# Allegro board com_v1_p3.brd (continued)
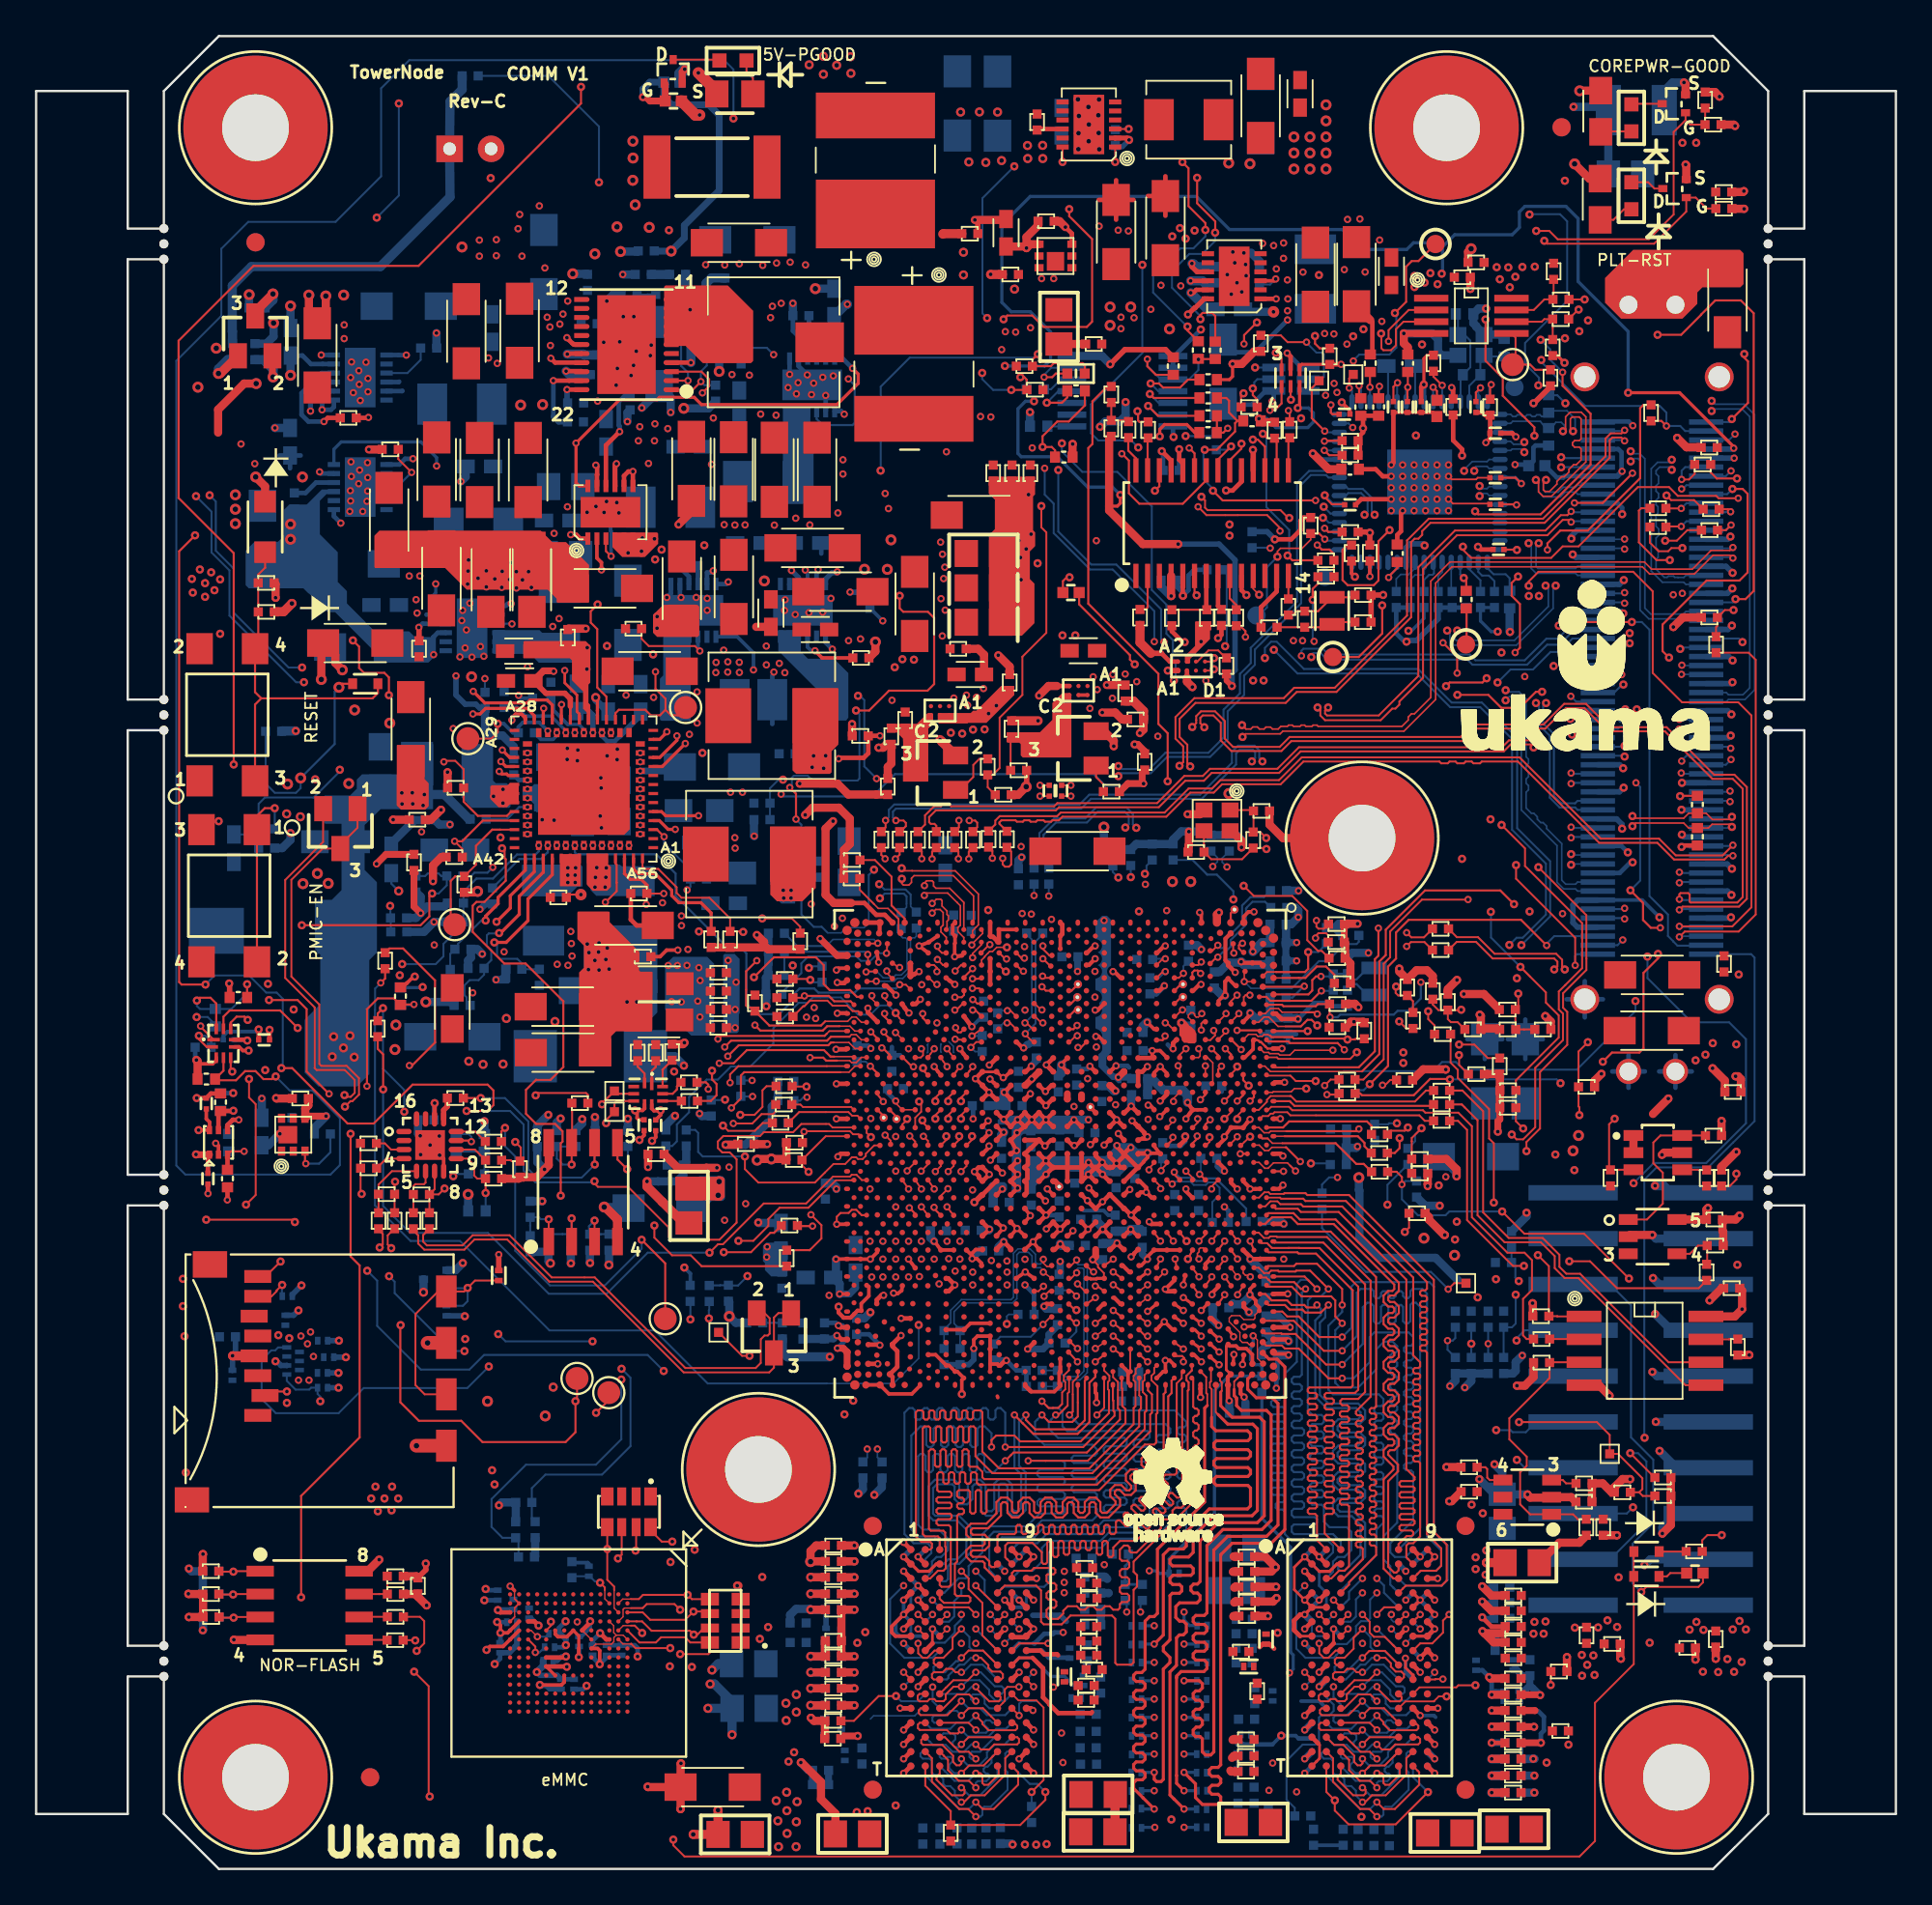
[diagram p0: board, top side]
## Routing (per net, layer and track width the routed paths; a pad name or vN(x,y) marks a point on that pad's centre or on a via; arc(x,y) is an arc through that point) (continued)
M_A_DQ47: length 31.9
  TOP w0.102: v2(58.6,33.1) 58.55,33.1 U3C1.AB40
  TOP w0.109: U37.H7 52.44,12.94 52.44,14.75 51.67,15.51 51.67,16.1 v2(51.27,16.5)
  L3_SIG1 w0.102: v2(51.27,16.5) 51.27,16.51 51.09,16.7 51.09,17.14 51.21,17.27 51.65,17.27 52.08,17.7 52.08,17.84 51.97,17.96 51.97,18.1 52.11,18.25 52.25,18.25 52.37,18.13 52.51,18.13 52.81,18.43 52.81,18.59 52.66,18.74 52.66,18.91 52.78,19.03 52.95,19.03 53.1,18.88 53.26,18.88 53.38,19 53.38,19.17 53.23,19.32 53.23,19.49 53.35,19.61 53.52,19.61 53.67,19.46 53.84,19.46 53.96,19.58 53.96,19.74 53.81,19.89 53.81,20.06 53.93,20.18 54.1,20.18 54.25,20.03 54.41,20.03 54.53,20.15 54.53,20.32 54.38,20.47 54.38,20.64 54.5,20.75 54.67,20.75 54.82,20.61 54.99,20.61 55.11,20.72 55.11,20.89 54.96,21.04 54.96,21.21 55.08,21.33 55.25,21.33 55.4,21.18 55.56,21.18 55.68,21.3 55.68,21.47 55.53,21.62 55.53,21.79 55.65,21.9 55.82,21.9 55.97,21.76 56.14,21.76 56.26,21.87 56.26,22.04 56.11,22.19 56.11,22.36 56.23,22.48 56.4,22.48 56.54,22.33 56.71,22.33 56.83,22.45 56.83,22.62 56.68,22.77 56.68,22.93 56.8,23.05 56.97,23.05 57.12,22.9 57.29,22.9 57.41,23.02 57.41,23.19 57.26,23.34 57.26,23.51 57.38,23.63 57.63,23.63 58.02,24.02 58.02,26.69 59.05,27.72 59.05,32.64 v2(58.6,33.1)
M_A_DQ48: length 31.1
  TOP w0.114: v2(59.69,30.96) U3C1.V45
  L8_SIG4 w0.102: v2(59.69,30.96) 59.35,30.61 57,30.61 56.12,29.74 54.44,29.74 52.81,28.11 52.81,27.7 52.95,27.57 52.95,27.37 52.89,27.31 52.63,27.31 52.47,27.47 52.33,27.47 51.93,27.07 51.93,25.81 51.81,25.69 51.54,25.69 51.42,25.57 51.42,25.4 51.54,25.28 51.81,25.28 51.93,25.16 51.93,25 51.81,24.88 51.54,24.88 51.42,24.76 51.42,24.59 51.54,24.47 51.81,24.47 51.93,24.35 51.93,24.18 51.81,24.06 51.54,24.06 51.42,23.95 51.42,23.78 51.54,23.66 51.81,23.66 51.93,23.54 51.93,23.37 51.81,23.25 51.54,23.25 51.42,23.13 51.42,22.96 51.54,22.85 51.81,22.85 51.93,22.73 51.93,22.56 51.81,22.44 51.54,22.44 51.42,22.32 51.42,22.15 51.54,22.03 51.81,22.03 51.93,21.91 51.93,21.75 51.81,21.63 51.54,21.63 51.42,21.51 51.42,21.34 51.54,21.22 51.81,21.22 51.93,21.1 51.93,20.93 51.81,20.81 51.54,20.81 51.42,20.69 51.42,20.53 51.54,20.41 51.81,20.41 51.93,20.29 51.93,20.12 51.81,20 51.54,20 51.42,19.88 51.42,19.71 51.54,19.59 51.81,19.59 51.93,19.48 51.93,19.31 51.81,19.19 51.54,19.19 51.42,19.07 51.42,18.9 51.54,18.78 51.81,18.78 51.93,18.66 51.93,18.49 51.81,18.38 51.54,18.38 51.42,18.26 51.42,17.16 51.78,16.8 v2(52.07,16.5)
  BOTTOM w0.114: U30.E3 52.94,14.84 52.56,15.21 52.56,16.01 v2(52.07,16.5)
M_A_DQ49: length 31.9
  TOP w0.114: v2(59.69,30.25) U3C1.V47
  L8_SIG4 w0.102: v2(51.27,15.7) 50.92,16.06 50.53,16.45 50.53,16.6 50.65,16.72 50.79,16.72 50.91,16.84 50.91,17.01 50.79,17.12 50.65,17.12 50.53,17.24 50.53,17.41 50.65,17.53 50.79,17.53 50.91,17.65 50.91,17.82 50.79,17.94 50.65,17.94 50.53,18.06 50.53,18.22 50.65,18.34 50.79,18.34 50.91,18.46 50.91,18.63 50.79,18.75 50.65,18.75 50.53,18.87 50.53,19.04 50.65,19.16 50.79,19.16 50.91,19.28 50.91,19.44 50.79,19.56 50.65,19.56 50.53,19.68 50.53,19.85 50.65,19.97 50.79,19.97 50.91,20.09 50.91,20.26 50.79,20.38 50.65,20.38 50.53,20.49 50.53,20.66 50.65,20.78 50.79,20.78 50.91,20.9 50.91,21.07 50.79,21.19 50.65,21.19 50.53,21.31 50.53,21.48 50.65,21.59 50.79,21.59 50.91,21.71 50.91,21.88 50.79,22 50.65,22 50.53,22.12 50.53,22.29 50.65,22.41 50.79,22.41 50.91,22.53 50.91,22.7 50.79,22.81 50.65,22.81 50.53,22.93 50.53,23.1 50.65,23.22 50.79,23.22 50.91,23.34 50.91,23.51 50.79,23.63 50.65,23.63 50.53,23.75 50.53,23.91 50.65,24.03 50.79,24.03 50.91,24.15 50.91,24.32 50.79,24.44 50.65,24.44 50.53,24.56 50.53,24.73 50.65,24.85 50.79,24.85 50.91,24.97 50.91,26.56 54.96,30.61 56.23,30.61 57,31.38 58.48,31.38 58.55,31.31 58.85,31.31 59.54,31.31 59.88,31.31 60.06,31.13 60.06,30.61 v2(59.69,30.25)
  BOTTOM w0.114: U30.F7 50.59,13.7 50.87,13.99 50.87,14.84 51.27,15.24 v2(51.27,15.7)
M_A_DQ50: length 31.7
  TOP w0.114: U3C1.AD48 57.68,28.85 v2(57.71,28.85)
  L8_SIG4 w0.102: v2(54.47,13.3) 54.47,12.96 54.58,12.86 55.68,12.86 55.8,12.98 55.8,13.31 55.92,13.43 56.25,13.43 56.37,13.31 56.37,12.85 56.63,12.59 57.14,12.59 57.39,12.85 57.39,13.99 57.77,14.37 57.77,19.83 61.06,23.12 61.06,23.39 60.95,23.49 60.56,23.49 60.44,23.61 60.44,23.78 60.56,23.9 60.95,23.9 61.07,24.01 61.07,24.18 60.95,24.3 60.56,24.3 60.44,24.42 60.44,24.59 60.56,24.71 60.95,24.71 61.07,24.83 61.07,25 60.95,25.11 60.56,25.11 60.44,25.23 60.44,25.4 60.56,25.52 60.95,25.52 61.07,25.64 61.07,26.18 60.95,26.3 60.56,26.3 60.44,26.42 60.44,26.58 60.56,26.7 60.95,26.7 61.07,26.82 61.07,27.58 60.69,27.96 60.69,29.61 60.41,29.89 59.84,29.89 58.55,29.89 57.71,29.05 v2(57.71,28.85)
  BOTTOM w0.114: U30.F2 54.08,13.7 v2(54.47,13.3)
M_A_DQ51: length 31.8
  TOP w0.114: v2(57.71,28.11) 57.22,28.65 U3C1.AD50
  L8_SIG4 w0.102: v2(57.71,28.11) 56.94,28.11 56.84,28.01 56.84,27.71 56.96,27.59 57.52,27.59 57.64,27.47 57.64,27.3 57.52,27.18 56.96,27.18 56.84,27.07 56.84,26.9 56.96,26.78 57.52,26.78 57.64,26.66 57.64,26.49 57.52,26.37 56.96,26.37 56.84,26.25 56.84,26.08 56.96,25.97 57.52,25.97 57.64,25.85 57.64,25.68 57.52,25.56 56.96,25.56 56.88,25.48 56.88,24.86 56.96,24.78 57.52,24.78 57.64,24.66 57.64,24.15 57.38,23.88 57.21,23.88 56.68,24.41 56.51,24.41 56.39,24.29 56.39,24.13 56.92,23.6 56.92,23.43 56.8,23.31 56.63,23.31 56.1,23.84 55.94,23.84 55.82,23.72 55.82,23.55 56.35,23.02 56.35,22.85 56.23,22.73 56.06,22.73 55.53,23.26 55.36,23.26 55.24,23.15 55.24,22.98 55.77,22.45 55.77,22.28 55.61,22.12 53.33,22.12 53.07,21.86 53.07,17.8 53.28,17.59 53.28,16.1 52.69,15.51 52.69,15.13 52.06,14.5 50.07,14.5 49.98,14.41 v2(49.67,14.1)
  BOTTOM w0.112: v2(49.67,14.1) 49.67,14.1 U30.F8
M_A_DQ52: length 31.3
  TOP w0.114: v2(59.69,29.54) U3C1.V48
  L8_SIG4 w0.102: v2(59.69,29.54) 60,29.54 60.31,29.23 60.31,27.45 60.06,27.2 60.06,22.75 59.89,22.59 59.73,22.59 59.26,23.06 59.09,23.06 58.97,22.94 58.97,22.77 59.44,22.3 59.44,22.13 59.32,22.02 59.15,22.02 58.68,22.48 58.52,22.48 58.4,22.36 58.4,22.19 58.86,21.73 58.86,21.56 58.75,21.44 58.58,21.44 58.11,21.91 57.94,21.91 57.82,21.79 57.82,21.62 58.29,21.15 58.29,20.99 58.17,20.87 58,20.87 57.63,21.23 57.49,21.23 57.39,21.13 57.39,14.5 56.61,13.72 54.28,13.72 54.09,13.53 54.09,13.1 53.87,12.88 53.49,12.88 53.2,12.59 52.52,12.59 52.23,12.88 52.2,12.88 52.07,13.01 v2(52.07,13.3)
  BOTTOM w0.114: v2(52.07,13.3) 53.02,12.36 U30.H3
M_A_DQ53: length 31.9
  TOP w0.114: v2(59.69,28.82) U3C1.V50
  L8_SIG4 w0.102: v2(51.27,14.1) 51.66,13.72 52.19,13.72 52.39,13.53 52.46,13.46 52.46,13.18 52.72,12.92 53.03,12.92 53.26,13.15 53.26,13.16 53.29,13.2 53.29,13.46 53.33,13.49 53.33,13.55 53.49,13.72 53.83,13.72 54.06,13.95 54.06,14 54.09,14.03 54.09,14.3 54.28,14.5 56.37,14.5 56.5,14.62 56.5,14.89 56.38,15.01 56.24,15.01 56.12,15.13 56.12,15.29 56.24,15.41 56.38,15.41 56.5,15.53 56.5,15.7 56.38,15.82 56.24,15.82 56.12,15.94 56.12,16.11 56.24,16.23 56.38,16.23 56.5,16.35 56.5,17.16 56.6,17.27 56.89,17.27 57,17.37 57,17.61 56.89,17.71 56.62,17.71 56.5,17.83 56.5,18 56.62,18.12 56.89,18.12 57.01,18.23 57.01,18.4 56.89,18.52 56.62,18.52 56.5,18.64 56.5,18.81 56.62,18.93 56.89,18.93 57.01,19.05 57.01,19.22 56.89,19.33 56.62,19.33 56.5,19.45 56.5,19.62 56.62,19.74 56.89,19.74 57.01,19.86 57.01,20.03 56.89,20.15 56.62,20.15 56.5,20.27 56.5,20.43 56.62,20.55 56.89,20.55 57.01,20.67 57.01,20.84 56.89,20.96 56.6,20.96 56.5,21.06 56.5,21.23 59.69,24.42 59.69,24.92 59.57,25.04 59.41,25.04 59.29,25.16 59.29,25.33 59.41,25.44 59.57,25.44 59.69,25.56 59.69,25.73 59.57,25.85 59.41,25.85 59.29,25.97 59.29,26.14 59.41,26.26 59.57,26.26 59.69,26.38 59.69,28.35 59.69,28.35 v2(59.69,28.82)
  BOTTOM w0.114: U30.H8 49.62,12.45 49.71,12.54 50.35,12.54 50.91,13.1 50.91,13.48 51.27,13.84 v2(51.27,14.1)
M_A_DQ54: length 31.8
  TOP w0.114: v2(58.7,31.67) U3C1.AB44
  L8_SIG4 w0.102: v2(58.7,31.67) 59.04,32.01 59.94,32.01 61.07,30.88 61.07,28.09 61.45,27.7 61.45,22.88 58.15,19.58 58.15,14.24 57.77,13.86 57.77,10.69 57.52,10.43 56.63,10.43 56.37,10.69 56.37,11.07 56.12,11.32 53.96,11.32 53.67,11.61 53.67,12.1 v2(53.67,12.5)
  BOTTOM w0.109: U30.G2 v2(53.67,12.5)
M_A_DQ55: length 31.9
  TOP w0.114: U3C1.Y45 v2(58.7,30.25)
  L8_SIG4 w0.102: v2(58.7,30.25) 58.28,30.25 57.94,29.9 57.05,29.9 56.5,29.36 54.59,29.36 54.34,29.11 54.34,27.88 54.22,27.76 54.08,27.76 53.96,27.64 53.96,27.47 54.08,27.35 54.22,27.35 54.34,27.23 54.34,27.07 54.22,26.95 54.08,26.95 53.96,26.83 53.96,26.66 54.11,26.51 54.11,26.02 52.31,24.22 52.31,17.29 52.56,17.04 52.56,16.4 52.26,16.1 51.91,16.1 51.67,15.87 51.67,15.51 51.46,15.3 48.48,15.3 v2(48.07,15.7)
  BOTTOM w0.109: U30.H7 49.67,11.7 48.12,11.7 47.32,12.5 47.32,14.95 v2(48.07,15.7)
M_A_DQ56: length 31.6
  TOP w0.114: U3C1.V52 60.16,27.08 60.16,27.07 60.16,26.66 60.19,26.63 60.19,25.67 60.37,25.49 60.37,24.72 58.28,22.62 55.93,22.62 v2(54.98,22.62)
  BOTTOM w0.114: U30.D7 50.32,15.3 51.13,16.11 51.51,16.11 51.67,16.27 51.67,16.78 52.44,17.54 52.44,18.56 52.87,18.99 54.9,18.99 55.61,19.7 56.91,19.7 57.01,19.81 57.01,19.98 56.89,20.1 55.6,20.1 55.48,20.22 55.48,20.39 55.6,20.5 56.89,20.5 57.01,20.62 57.01,20.79 56.89,20.91 55.6,20.91 55.48,21.03 55.48,21.2 55.6,21.32 56.89,21.32 57.01,21.44 57.01,21.6 56.89,21.72 55.6,21.72 55.48,21.84 55.48,22.01 55.6,22.13 56.89,22.13 57.01,22.25 57.01,22.5 56.88,22.62 v2(54.98,22.62)
M_A_DQ57: length 31.8
  TOP w0.102: 59.95,26.56 59.95,26.99 59.94,26.99 59.94,27 59.68,27.26 59.68,27.56 U3C1.W51
  TOP w0.114: v2(53.71,22.62) 54.16,23.08 58.23,23.08 60.06,24.92 60.06,25.41 59.95,25.53 59.95,26.56
  BOTTOM w0.114: U30.C8 49.54,16.37 49.64,16.47 49.64,17.04 49.9,17.29 50.15,17.29 50.52,17.66 50.52,18.32 50.02,18.81 49.13,18.81 48.88,19.07 48.88,22.88 49.01,23.01 49.18,23.01 49.29,22.89 49.29,22.11 49.41,21.99 49.58,21.99 49.7,22.11 49.7,22.89 49.82,23.01 49.99,23.01 50.11,22.89 50.11,22.11 50.23,21.99 50.39,21.99 50.51,22.11 50.51,22.89 50.63,23.01 50.8,23.01 50.92,22.89 50.92,22.11 51.04,21.99 51.21,21.99 51.33,22.11 51.33,22.89 51.45,23.01 51.61,23.01 51.73,22.89 51.73,22.11 51.85,21.99 52.02,21.99 52.14,22.11 52.14,22.89 52.26,23.01 52.43,23.01 52.55,22.89 52.55,22.11 52.66,21.99 53.07,21.99 v2(53.71,22.62)
M_A_DQ58: length 31.8
  TOP w0.114: v2(55.74,25.16) 56.13,24.78 57.42,24.78 57.73,25.08 57.73,25.85 U3C1.AC53
  BOTTOM w0.114: U30.C3 52.93,16.45 52.82,16.56 52.82,18.43 53.07,18.69 55.1,18.69 55.74,19.32 58.53,19.32 58.79,19.58 58.79,19.95 58.67,20.07 57.51,20.07 57.39,20.19 57.39,20.35 57.51,20.47 58.67,20.47 58.79,20.59 58.79,20.76 58.67,20.88 57.51,20.88 57.39,21 57.39,21.17 57.51,21.29 58.67,21.29 58.79,21.41 58.79,21.57 58.67,21.69 57.51,21.69 57.39,21.81 57.39,21.98 57.51,22.1 58.67,22.1 58.79,22.22 58.79,22.39 58.67,22.51 57.51,22.51 57.39,22.62 57.39,22.79 57.51,22.91 58.67,22.91 58.79,23.03 58.79,23.26 58.53,23.51 55.87,23.51 55.36,24.02 55.36,24.78 v2(55.74,25.16)
M_A_DQ59: length 31.7
  TOP w0.102: U3C1.AC51 57.73,27.27 57.45,26.99 57.45,26.31
  TOP w0.114: 57.45,26.31 57.45,25.35 v2(57.26,25.16)
  BOTTOM w0.114: U30.C2 54.36,16.39 54.5,16.53 55.23,16.53 55.74,17.04 55.74,17.8 56.12,18.18 58.98,18.18 59.44,18.64 62.29,18.64 62.85,19.2 62.85,19.47 62.73,19.58 62.21,19.58 62.09,19.7 62.09,19.87 62.21,19.99 62.73,19.99 62.85,20.11 62.85,20.28 62.73,20.4 62.21,20.4 62.09,20.52 62.09,20.69 62.21,20.8 62.73,20.8 62.85,20.92 62.85,21.09 62.73,21.21 62.21,21.21 62.09,21.33 62.09,21.5 62.21,21.62 62.73,21.62 62.85,21.74 62.85,21.9 62.73,22.02 62.21,22.02 62.09,22.14 62.09,22.31 62.21,22.43 62.73,22.43 62.85,22.55 62.85,22.72 62.73,22.84 62.21,22.84 62.09,22.96 62.09,23.12 62.21,23.24 62.73,23.24 62.85,23.36 62.85,23.53 62.73,23.65 62.21,23.65 62.09,23.77 62.09,23.94 62.21,24.06 62.73,24.06 62.85,24.17 62.85,24.4 62.6,24.66 57.77,24.66 57.62,24.81 v2(57.26,25.16)
M_A_DQ60: length 31.8
  TOP w0.114: U3C1.W53 59.67,26.62 59.67,25.98 59.7,25.95 59.7,25.4 59.76,25.34 59.76,25.12 58.02,23.39 v2(53.71,23.39)
  BOTTOM w0.114: v2(53.71,23.39) 53.71,25.29 53.45,25.55 53.28,25.55 53.16,25.43 53.16,25.03 53.04,24.91 52.88,24.91 52.76,25.03 52.76,25.43 52.64,25.55 52.47,25.55 52.35,25.43 52.35,25.03 52.23,24.91 52.06,24.91 51.94,25.03 51.94,25.43 51.83,25.55 51.66,25.55 51.54,25.43 51.54,25.03 51.42,24.91 51.25,24.91 51.13,25.03 51.13,25.43 51.01,25.55 50.84,25.55 50.72,25.43 50.72,25.03 50.61,24.91 50.44,24.91 50.32,25.03 50.32,25.43 50.2,25.55 50.03,25.55 49.91,25.43 49.91,25.03 49.79,24.91 49.62,24.91 49.51,25.03 49.51,25.43 49.39,25.55 49.22,25.55 49.1,25.43 49.1,25.03 48.98,24.91 48.81,24.91 48.69,25.03 48.69,25.43 48.57,25.55 48.37,25.55 48.12,25.29 48.12,18.56 48.63,18.05 49.4,18.05 49.61,17.84 49.61,17.51 49.27,17.18 U30.B8
M_A_DQ61: length 31.7
  TOP w0.102: U3C1.Y51 59.18,27.63 59.48,27.33 59.48,27.07 59.4,27 59.4,26.99 59.39,26.99 59.39,26.59 59.45,26.53
  TOP w0.114: 59.45,26.53 59.45,25.27 57.89,23.7 54.54,23.7 54.21,24.02 53.2,24.02 52.94,23.77 v2(52.94,23.39)
  BOTTOM w0.114: U30.A7 50.07,18.13 49.77,18.43 48.88,18.43 48.5,18.81 48.5,24.02 49.01,24.53 49.21,24.53 49.33,24.41 49.33,23.51 49.45,23.39 49.62,23.39 49.74,23.51 49.74,24.41 49.85,24.53 50.02,24.53 50.14,24.41 50.14,23.51 50.26,23.39 50.43,23.39 50.55,23.51 50.55,24.41 50.67,24.53 50.84,24.53 50.96,24.41 50.96,23.51 51.07,23.39 51.24,23.39 51.36,23.51 51.36,24.41 51.48,24.53 51.65,24.53 51.77,24.41 51.77,23.51 51.89,23.39 52.06,23.39 52.17,23.51 52.17,24.41 52.29,24.53 52.56,24.53 52.94,24.15 v2(52.94,23.39)
M_A_DQ62: length 31.7
  TOP w0.102: U3C1.AD52 57.24,26.44 57.16,26.36 57.16,25.68
  TOP w0.114: 57.16,25.68 56.65,25.16 v2(56.5,25.16)
  BOTTOM w0.114: v2(56.5,25.16) 56.12,24.78 56.12,24.4 56.63,23.89 60.31,23.89 60.44,23.77 60.44,23.55 60.32,23.43 59.29,23.43 59.17,23.31 59.17,23.14 59.29,23.02 60.32,23.02 60.44,22.9 60.44,22.74 60.32,22.62 59.29,22.62 59.17,22.5 59.17,22.33 59.29,22.21 60.32,22.21 60.44,22.09 60.44,21.92 60.32,21.8 59.29,21.8 59.17,21.69 59.17,21.52 59.29,21.4 60.32,21.4 60.44,21.28 60.44,21.11 60.32,20.99 59.29,20.99 59.17,20.87 59.17,20.7 59.29,20.58 60.32,20.58 60.44,20.47 60.44,20.3 60.32,20.18 59.29,20.18 59.17,20.06 59.17,19.89 59.29,19.77 60.32,19.77 60.44,19.65 60.44,19.42 60.34,19.32 59.17,19.32 58.79,18.94 55.87,18.94 55.31,18.38 53.53,18.38 53.27,18.13 U30.A3
M_A_DQ63: length 31.7
  TOP w0.102: 56.86,25.77 56.86,26.41 57.03,26.59 57.03,26.99 56.95,27.07 56.95,27.35 57.23,27.64
  TOP w0.114: 56.86,25.77 56.63,25.55 56.34,25.55 56.11,25.55 56.03,25.64 v2(55.74,25.93) ; 57.23,27.64 U3C1.AD51
  BOTTOM w0.114: U30.A2 54.35,17.98 54.35,17.98 54.42,18.05 55.48,18.05 55.99,18.56 58.93,18.56 59.31,18.94 61.58,18.94 61.71,19.07 61.71,20.02 61.59,20.14 60.94,20.14 60.82,20.26 60.82,20.43 60.94,20.55 61.59,20.55 61.71,20.67 61.71,20.84 61.59,20.96 60.94,20.96 60.82,21.08 60.82,21.24 60.94,21.36 61.59,21.36 61.71,21.48 61.71,21.65 61.59,21.77 60.94,21.77 60.82,21.89 60.82,22.06 60.94,22.18 61.59,22.18 61.71,22.29 61.71,22.46 61.59,22.58 60.94,22.58 60.82,22.7 60.82,22.87 60.94,22.99 61.59,22.99 61.71,23.11 61.71,23.28 61.59,23.39 60.94,23.39 60.82,23.51 60.82,23.68 60.94,23.8 61.59,23.8 61.71,23.92 61.71,24.15 61.58,24.28 57.14,24.28 56.87,24.54 56.87,25.34 56.66,25.55 56.11,25.55 v2(55.74,25.93)
M_A_DQS_N0: length 37.3
  TOP w0.086: v2(72.7,13.3) 72.6,13.2
  TOP w0.109: 72.6,13.2 U27.G3
  TOP w0.119: v1(63.83,33.81) U3C1.K38
  L3_SIG1 w0.114: v1(63.83,33.81) 64.21,34.19 64.44,34.42 67.56,34.42 68.7,33.28 71.28,33.28 71.48,33.28 74.9,29.86 74.9,28.89 74.63,28.61 74.15,28.61 74.01,28.48 74.01,28.29 74.15,28.16 74.63,28.16 74.9,27.88 74.9,27.49 74.63,27.22 74.15,27.22 74.01,27.08 74.01,26.89 74.15,26.76 74.63,26.76 74.9,26.48 74.9,26.09 74.63,25.82 74.15,25.82 74.01,25.68 74.01,25.5 74.15,25.36 74.63,25.36 74.9,25.09 74.9,24.7 74.63,24.42 74.15,24.42 74.01,24.29 74.01,24.1 74.15,23.96 74.63,23.96 74.9,23.69 74.9,17.57 74.11,16.78 73.6,16.78 73.09,16.27 73.09,13.69 72.7,13.3 v2(72.7,13.3)
M_A_DQS_N1: length 32
  TOP w0.119: U27.B7 75.5,16.55 75.38,16.43 75.25,16.43 74.92,16.75 74.92,21.49 75.47,22.04 75.47,22.42 74.92,22.96 74.92,23.11 75.03,23.22 75.26,23.22 75.52,23.47 75.52,23.83 75.26,24.08 75.03,24.08 74.92,24.19 74.92,24.33 75.03,24.44 75.26,24.44 75.52,24.69 75.52,25.05 75.26,25.31 75.03,25.31 74.92,25.41 74.92,25.56 75.03,25.66 75.26,25.66 75.52,25.92 75.52,26.28 75.26,26.53 75.03,26.53 74.92,26.63 74.92,26.78 75.03,26.89 75.26,26.89 75.52,27.14 75.52,27.5 75.26,27.75 75.03,27.75 74.92,27.86 74.92,28.01 75.03,28.11 75.26,28.11 75.52,28.37 75.52,28.72 75.26,28.98 75.03,28.98 74.92,29.08 74.92,29.23 75.03,29.34 75.26,29.34 75.52,29.59 75.52,29.95 75.26,30.2 75.03,30.2 74.92,30.31 74.92,30.46 75.03,30.56 75.26,30.56 75.52,30.81 75.52,31.17 75.26,31.43 75.03,31.43 74.92,31.53 74.92,31.68 75.03,31.79 75.26,31.79 75.52,32.04 75.52,32.5 72.01,36 70.03,36 69.68,36.35 68.29,36.35 U3C1.B34
M_A_DQS_N2: length 33.3
  TOP w0.086: v2(66.57,32.82) U3C1.F40
  L8_SIG4 w0.114: v2(75.1,13.3) 75.1,13.3 74.69,13.72 74.69,14.26 74.46,14.49 74.44,14.49 74.42,14.51 73.3,14.51 72.77,15.04 72.77,18.55 71.74,19.58 71.74,19.97 72.02,20.25 72.64,20.25 72.77,20.38 72.77,20.57 72.64,20.7 72.02,20.7 71.74,20.98 71.74,21.37 72.02,21.64 72.64,21.64 72.77,21.78 72.77,21.97 72.64,22.1 72.02,22.1 71.74,22.38 71.74,22.77 72.02,23.04 72.64,23.04 72.77,23.18 72.77,23.36 72.64,23.5 72.02,23.5 71.74,23.77 71.74,24.16 72.02,24.44 72.64,24.44 72.77,24.57 72.77,24.76 72.64,24.9 72.02,24.9 71.74,25.17 71.74,25.56 72.02,25.84 72.64,25.84 72.77,25.97 72.77,26.3 72.63,26.43 72.04,26.43 71.72,26.75 71.72,28.52 67.79,32.46 66.94,32.46 66.81,32.59 v2(66.57,32.82)
  BOTTOM w0.086: v2(75.1,13.3) U24.G3
M_A_DQS_N3: length 31.5
  TOP w0.119: v2(70.98,31.26) 70.84,31.13 70.41,31.13 70.27,31.26 69.58,31.26 69.33,31.51 68.47,31.51 68.12,31.87 U3C1.C43
  BOTTOM w0.119: U24.B7 72.16,16.76 72.16,16.61 72.23,16.54 72.51,16.54 73.39,17.42 73.39,19.07 72.91,19.55 72.16,19.55 71.87,19.84 71.87,20.25 72.16,20.54 73.25,20.54 73.39,20.68 73.39,20.88 73.25,21.02 72.16,21.02 71.87,21.3 71.87,21.71 72.16,22 73.25,22 73.39,22.14 73.39,22.34 73.25,22.48 72.16,22.48 71.87,22.77 71.87,23.18 72.16,23.46 73.25,23.46 73.39,23.6 73.39,23.8 73.25,23.94 72.16,23.94 71.87,24.23 71.87,24.64 72.16,24.93 73.25,24.93 73.39,25.07 73.39,25.31 73.16,25.55 71.51,25.55 70.89,26.17 70.89,30.41 71.19,30.71 71.19,31.05 v2(70.98,31.26)
M_A_DQS_N4: length 31.9
  TOP w0.119: U37.B7 53.11,16.74 52.95,16.74 52.82,16.87 52.82,17.05 52.56,17.3 51.91,17.3 51.8,17.41 51.8,17.56 51.91,17.66 52.56,17.66 52.82,17.91 52.82,18.27 52.56,18.53 51.91,18.53 51.8,18.63 51.8,18.78 51.91,18.88 52.76,18.88 53.47,19.59 53.47,20.23 53.57,20.33 53.72,20.33 53.83,20.23 53.83,19.74 54.08,19.48 54.44,19.48 54.69,19.74 54.69,20.23 54.8,20.33 54.95,20.33 55.05,20.23 55.05,19.74 55.3,19.48 55.66,19.48 55.92,19.74 55.92,20.23 56.02,20.33 56.17,20.33 56.27,20.23 56.27,19.74 56.53,19.48 56.89,19.48 57.14,19.74 57.14,20.23 57.25,20.33 57.39,20.33 57.5,20.23 57.5,19.74 57.75,19.48 58.11,19.48 58.37,19.74 58.37,20.23 58.47,20.33 58.62,20.33 58.72,20.23 58.72,19.74 58.98,19.48 59.43,19.48 60.07,20.12 60.07,20.48 59.78,20.77 59.78,20.92 59.88,21.02 60.03,21.02 60.32,20.73 60.68,20.73 60.94,20.99 60.94,21.34 60.64,21.64 60.64,21.78 60.75,21.89 60.9,21.89 61.19,21.6 61.55,21.6 61.8,21.85 61.8,22.21 61.51,22.5 61.51,22.65 61.61,22.76 61.76,22.76 62.05,22.46 62.41,22.46 62.74,22.79 62.74,26.19 62.92,26.38 62.92,27.06 U3C1.M52
M_A_DQS_N5: length 31.8
  TOP w0.086: U37.G3 v2(50.47,13.3) ; U3C1.T44 v2(61.59,31.67)
  L3_SIG1 w0.114: v2(61.59,31.67) 60.31,30.39 60.31,27.37 59.43,26.49 59.43,21.91 59.03,21.51 58.64,21.51 58.23,21.92 58.04,21.92 57.91,21.79 57.91,21.6 58.32,21.19 58.32,20.8 58.04,20.53 57.66,20.53 57.25,20.94 57.06,20.94 56.92,20.8 56.92,20.61 57.33,20.2 57.33,19.81 57.02,19.5 56.66,19.5 56.22,19.94 56.06,19.94 55.91,19.78 55.91,19.62 57.37,18.16 57.37,17.69 57.12,17.43 56.51,17.43 56.23,17.15 56.23,16.71 56.03,16.5 54.79,16.5 54.73,16.45 54.73,16.45 53.57,15.29 53.51,15.29 52.98,14.76 51.05,14.76 50.86,14.57 50.86,13.69 v2(50.47,13.3)
M_A_DQS_N6: length 31.7
  TOP w0.086: U3C1.Y48 v2(58.7,28.85)
  L8_SIG4 w0.114: v2(52.87,13.3) 52.87,13.3 52.87,13.54 53.26,13.93 53.26,15.08 53.58,15.4 54.31,15.4 54.58,15.67 54.58,16.43 54.81,16.66 55.7,16.66 55.98,16.94 55.98,17.71 55.7,17.98 54.08,17.98 53.95,18.12 53.95,18.31 54.08,18.44 55.7,18.44 55.98,18.71 55.98,19.1 55.7,19.38 54.08,19.38 53.95,19.51 53.95,19.7 54.08,19.84 55.7,19.84 55.98,20.11 55.98,20.5 55.7,20.78 54.08,20.78 53.95,20.91 53.95,21.1 54.08,21.23 55.7,21.23 58.25,23.78 58.25,23.79 58.3,23.84 58.3,26.5 58.51,26.7 59.01,26.7 59.3,26.99 59.3,28.46 58.91,28.85 v2(58.7,28.85)
  BOTTOM w0.086: v2(52.87,13.3) 53.27,12.9 U30.G3
M_A_DQS_N7: length 31.7
  TOP w0.114: 54.67,24.71 54.49,24.89
  TOP w0.119: U3C1.AA51 58.7,27.28 58.37,26.95 58.37,24.77 57.71,24.11 55.26,24.11 54.67,24.71 ; 54.49,24.89 v2(54.21,25.16)
  BOTTOM w0.119: v2(54.21,25.16) 54.21,22.24 54.58,21.87 54.58,20 54.42,19.83 54.22,19.83 54.08,19.97 54.08,21.31 53.78,21.61 53.35,21.61 53.09,21.36 53.09,19.97 52.95,19.83 52.76,19.83 52.62,19.97 52.62,21.28 52.32,21.57 51.9,21.57 51.63,21.31 51.63,20.61 51.49,20.47 51.29,20.47 51.15,20.61 51.15,21.31 50.89,21.57 49.81,21.57 49.45,21.21 49.45,19.59 49.72,19.32 51.04,19.32 51.55,18.81 51.55,17.66 51.05,17.16 50.55,17.16 50.29,16.9 U30.B7
M_A_DQS_P0: length 37.4
  TOP w0.086: v2(64.44,33.81) 64.44,33.91 64.35,33.99 64.35,34.12 64.45,34.21 64.45,34.36 64.51,34.42 64.68,34.42 U3C1.J38 ; v2(72.7,14.1) 72.62,14.02
  TOP w0.109: 72.62,14.02 72.45,13.85 U27.F3
  L3_SIG1 w0.114: v2(64.44,33.81) 64.4,33.86 64.4,34.02 64.56,34.18 67.42,34.18 68.57,33.04 71.38,33.04 74.66,29.76 74.66,28.99 74.53,28.85 74.05,28.85 73.77,28.58 73.77,28.19 74.05,27.91 74.53,27.91 74.66,27.78 74.66,27.59 74.53,27.46 74.05,27.46 73.77,27.18 73.77,26.79 74.05,26.52 74.53,26.52 74.66,26.38 74.66,26.19 74.53,26.06 74.05,26.06 73.77,25.78 73.77,25.4 74.05,25.12 74.53,25.12 74.66,24.99 74.66,24.8 74.53,24.66 74.05,24.66 73.77,24.39 73.77,24 74.05,23.72 74.53,23.72 74.66,23.59 74.66,17.67 74,17.01 73.5,17.01 72.85,16.37 72.85,15.52 72.74,15.41 72.45,15.41 72.37,15.33 72.37,15.17 72.45,15.09 72.73,15.09 72.81,15 72.81,14.85 72.73,14.78 72.45,14.78 72.38,14.7 72.38,14.54 72.44,14.47 72.73,14.47 72.82,14.38 72.82,14.22 72.71,14.1 v2(72.7,14.1)
M_A_DQS_P1: length 32.1
  TOP w0.114: 75.5,16.1 U27.C7
  TOP w0.119: U3C1.C35 68.12,35.76 68.3,35.94 68.31,35.94 68.49,36.12 69.55,36.12 69.92,35.75 71.91,35.75 75.26,32.39 75.26,32.14 75.16,32.04 74.92,32.04 74.67,31.79 74.67,31.43 74.92,31.17 75.16,31.17 75.26,31.07 75.26,30.92 75.16,30.82 74.92,30.82 74.67,30.56 74.67,30.2 74.92,29.95 75.16,29.95 75.26,29.84 75.26,29.7 75.16,29.59 74.92,29.59 74.67,29.34 74.67,28.98 74.92,28.72 75.16,28.72 75.26,28.62 75.26,28.47 75.16,28.37 74.92,28.37 74.67,28.11 74.67,27.75 74.92,27.5 75.16,27.5 75.26,27.4 75.26,27.25 75.16,27.14 74.92,27.14 74.67,26.89 74.67,26.53 74.92,26.28 75.16,26.28 75.26,26.17 75.26,26.02 75.16,25.92 74.92,25.92 74.67,25.66 74.67,25.31 74.92,25.05 75.16,25.05 75.26,24.95 75.26,24.8 75.16,24.69 74.92,24.69 74.67,24.44 74.67,24.08 74.92,23.83 75.16,23.83 75.26,23.72 75.26,23.57 75.16,23.47 74.92,23.47 74.67,23.22 74.67,22.86 75.22,22.31 75.22,22.14 74.67,21.6 74.67,16.65 75.21,16.1 75.5,16.1
M_A_DQS_P2: length 33.2
  TOP w0.086: v2(67.28,32.82) 67.19,32.91 67.01,32.91 66.89,33.03 U3C1.D40
  L8_SIG4 w0.114: v2(67.28,32.82) 67.77,32.82 71.91,28.68 71.91,28.67 71.96,28.62 71.96,26.85 72.12,26.69 72.76,26.69 73.01,26.43 73.01,25.87 72.73,25.59 72.12,25.59 71.98,25.46 71.98,25.27 72.12,25.14 72.73,25.14 73.01,24.86 73.01,24.47 72.73,24.2 72.12,24.2 71.98,24.06 71.98,23.87 72.12,23.74 72.73,23.74 73.01,23.46 73.01,23.08 72.73,22.8 72.12,22.8 71.98,22.67 71.98,22.48 72.12,22.34 72.73,22.34 73.01,22.07 73.01,21.68 72.73,21.4 72.12,21.4 71.98,21.27 71.98,21.08 72.12,20.95 72.73,20.95 73.01,20.67 73.01,20.28 72.73,20.01 72.12,20.01 71.98,19.87 71.98,19.68 73.01,18.65 73.01,15.13 73.4,14.75 74.49,14.75 74.5,14.75 74.51,14.75 74.54,14.73 74.56,14.73 74.66,14.62 75.37,14.62 75.48,14.51 75.48,14.22 75.37,14.1 v2(75.1,14.1)
  BOTTOM w0.086: v2(75.1,14.1) 75.1,13.82 75.22,13.7 U24.F3
M_A_DQS_P3: length 31.8
  TOP w0.119: U3C1.B44 68.3,31.26 69.2,31.26 69.45,31.01 70.17,31.01 70.34,30.84 71.19,30.84 v2(71.61,31.26)
  BOTTOM w0.119: U24.C7 72.44,16.1 73.65,17.31 73.65,19.17 73.01,19.81 72.26,19.81 72.12,19.95 72.12,20.14 72.26,20.28 73.36,20.28 73.65,20.57 73.65,20.98 73.36,21.27 72.26,21.27 72.12,21.41 72.12,21.61 72.26,21.75 73.36,21.75 73.65,22.04 73.65,22.44 73.36,22.73 72.26,22.73 72.12,22.87 72.12,23.07 72.26,23.21 73.36,23.21 73.65,23.5 73.65,23.91 73.36,24.2 72.26,24.2 72.12,24.34 72.12,24.53 72.26,24.67 73.36,24.67 73.65,24.96 73.65,25.42 73.26,25.8 71.61,25.8 71.14,26.27 71.14,30.28 71.44,30.58 71.44,31.09 v2(71.61,31.26)
M_A_DQS_P4: length 31.9
  TOP w0.086: U37.C7 53.17,16.1
  TOP w0.119: U3C1.N53 62.59,26.83 62.59,26.42 62.48,26.32 62.48,22.89 62.31,22.72 62.16,22.72 61.87,23.01 61.51,23.01 61.26,22.76 61.26,22.4 61.55,22.1 61.55,21.96 61.44,21.85 61.29,21.85 61,22.14 60.64,22.14 60.39,21.89 60.39,21.53 60.68,21.24 60.68,21.09 60.58,20.99 60.43,20.99 60.14,21.28 59.78,21.28 59.52,21.02 59.52,20.67 59.82,20.37 59.82,20.23 59.33,19.74 59.08,19.74 58.98,19.84 58.98,20.33 58.72,20.58 58.36,20.58 58.11,20.33 58.11,19.84 58.01,19.74 57.86,19.74 57.75,19.84 57.75,20.33 57.5,20.58 57.14,20.58 56.89,20.33 56.89,19.84 56.78,19.74 56.63,19.74 56.53,19.84 56.53,20.33 56.27,20.58 55.92,20.58 55.66,20.33 55.66,19.84 55.56,19.74 55.41,19.74 55.3,19.84 55.3,20.33 55.05,20.58 54.69,20.58 54.44,20.33 54.44,19.84 54.33,19.74 54.19,19.74 54.08,19.84 54.08,20.33 53.83,20.58 53.47,20.58 53.21,20.33 53.21,19.7 52.65,19.14 51.8,19.14 51.55,18.88 51.55,18.53 51.8,18.27 52.46,18.27 52.56,18.17 52.56,18.02 52.46,17.91 51.8,17.91 51.55,17.66 51.55,17.3 51.8,17.05 52.46,17.05 52.56,16.94 52.56,16.71 52.82,16.45 53.17,16.1